# Altium PCB 智能车驱动板DRV8701E.PcbDoc
Units mil, origin at the board's own origin, x right, y up, seen from the top; angles counter-clockwise.
Board outline 2884.05 x 1270.98 mil, 2 copper layers (Top Layer, Bottom Layer); 41 components, 38 nets, 211 pads, 138 vias.
Unrouted connection lines stored in the file: 41.
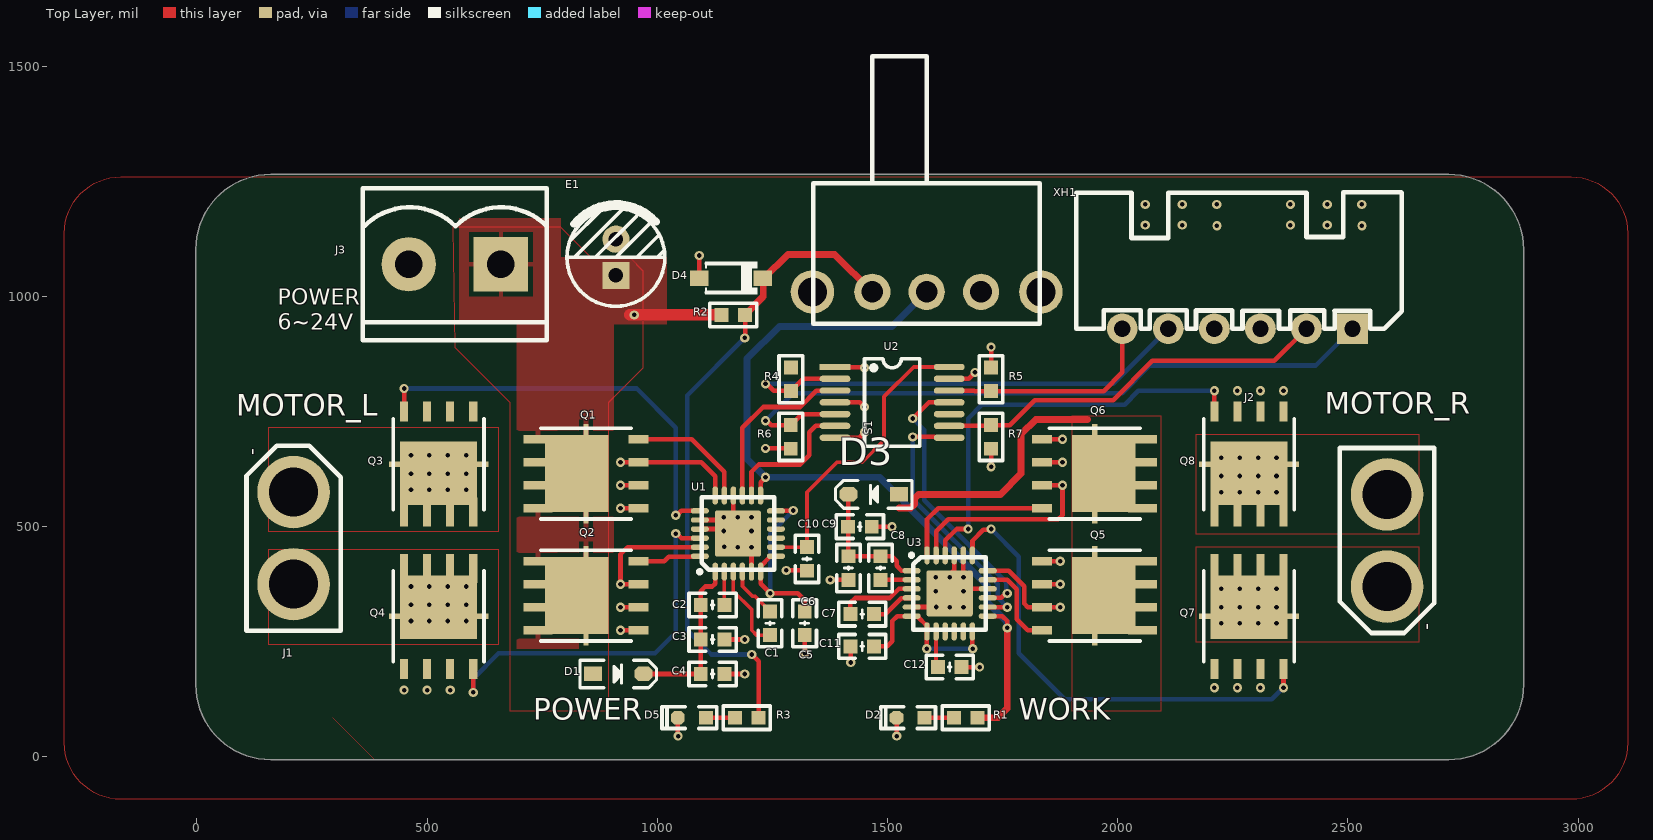
[diagram p0: Top Layer view]
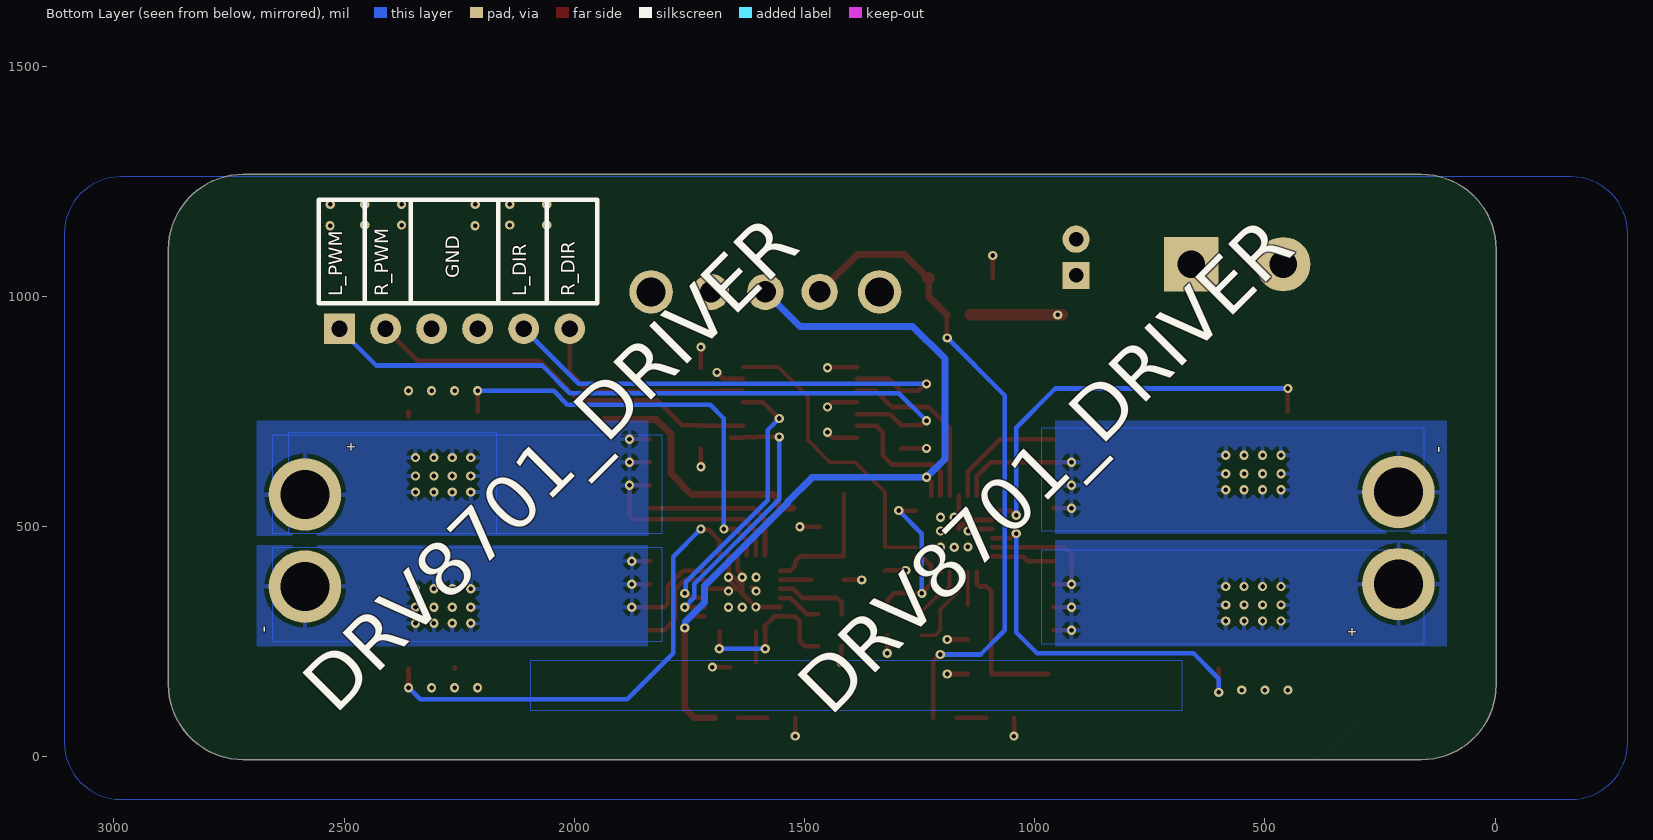
[diagram p1: Bottom Layer view, seen from below]
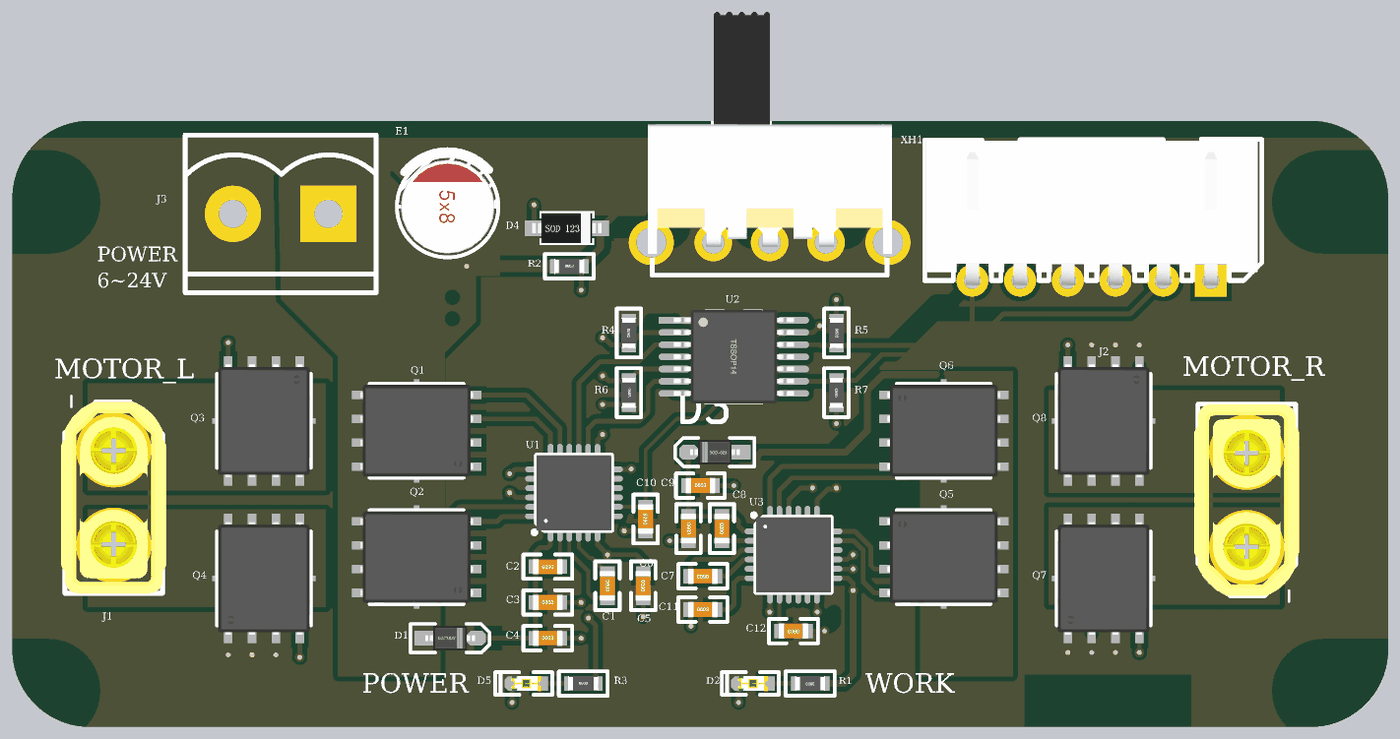
[diagram p2: 3D render of the assembled board from above, using the file's embedded part models]

## Layer stack, top to bottom
Top Solder: solder mask 0.4, Solder Resist, Dk 3.5
Top Layer: signal copper 1.4
Dielectric 1: dielectric 12.6, FR-4, Dk 4.8
Bottom Layer: signal copper 1.4
Bottom Solder: solder mask 0.4, Solder Resist, Dk 3.5

## Board outline
160,-5.96 cw(c160,156.54) -2.5,156.54 -2.5,1102.52 cw(c160,1102.52) 160,1265.01 2719.06,1265.01 cw(c2719.06,1102.52) 2881.55,1102.52 2881.55,156.54 cw(c2719.06,156.54) 2719.06,-5.96

## Design rules (kind name [scope] priority, off if disabled: settings)
BoardOutlineClearance [All] p1: gap=10 ignorepadtopadclearanceinfootprint=FALSE except(0: Arc-SplitContinuation Track-SplitContinuation SMDPad-SplitContinuation THPad-SplitContinuation Via-SplitContinuation Fill-SplitContinuation Poly-SplitContinuation Region-SplitContinuation Text-SplitContinuation; 30: Poly-OutlineEdge Poly-CavityEdge Poly-CutoutEdge Poly-SplitBarrior)
Clearance [All] p1: gap=6 ignorepadtopadclearanceinfootprint=TRUE except(10: Arc-Fill Arc-Poly Arc-Region Track-Fill Track-Poly Track-Region SMDPad-Fill SMDPad-Poly SMDPad-Region THPad-Fill THPad-Poly THPad-Region Fill-Fill Fill-Poly Fill-Region Poly-Poly Poly-Region Region-Region)
PlaneConnect [InNet('VM')] p1: planeconnectstyle=Direct reliefexpansion=20 reliefentries=4 reliefconductorwidth=10 reliefairgap=10
PolygonConnect PolygonConnect_POWER [InNetClass('POWER')] p1: connectstyle=Direct reliefconductorwidth=10 reliefentries=4 polygonreliefangle="90 Angle" airgapwidth=10
PolygonConnect [All] p2: connectstyle=Relief reliefconductorwidth=10 reliefentries=4 polygonreliefangle="90 Angle" airgapwidth=10
RoutingVias [All] p1: holewidth=12 width=22 viastyle="Through Hole" minholewidth=10 minwidth=22 maxholewidth=50 maxwidth=50
SolderMaskExpansion [InPadClass('All Pads')] p1: expansion=4 istentingtop=FALSE
Width GND [All] p1: maxlimit=50 minlimit=3 preferedwidth=8 minimp=50.000000 maximp=50.000000 favimp=50.000000
Width PWN [InNetClass('PWN')] p2: maxlimit=50 minlimit=3 preferedwidth=10 minimp=50.000000 maximp=50.000000 favimp=50.000000
Width [All] p3: maxlimit=10 minlimit=3 preferedwidth=8 minimp=50.000000 maximp=50.000000 favimp=50.000000
29 further rules are at their usual default settings.

## Components (designator, comment, footprint, x,y, rotation, side; value= is the part's Value field where it differs from the comment)
C1 "100nF" C0603_L 1245,290 r270 top
C2 "100nF" C0603_L 1119.99,330 r180 top
C3 "100nF" C0603_L 1120,255 r0 top
C4 "100nF" C0603_L 1120,180 r0 top
C5 "100nF" C0603_L 1320,290 r90 top
C6 "100nF" C0603_L 1325,430 r90 top
C7 "100nF" C0603_L 1445,310 r180 top
C8 "100nF" C0603_L 1485,410 r90 top
C9 "100nF" C0603_L 1415,410 r270 top
C10 "100nF" C0603_L 1440,500 r0 top
C11 "100nF" C0603_L 1445,240 r0 top
C12 "100nF" C0603_L 1635,195 r180 top
D1 "1N5819" SOD-323 915,180 r0 top
D2 "LED" LED-0603_R 1550,85 r180 top
D3 "1N5819" SOD-323 1470,570 r180 top
D4 "BZT52C3V3" SOD-123-L 1160,1040 r0 top
D5 "LED" LED-0603_R 1075,85 r180 top
E1 "10uF/25V" CT-2.0*5*8-R 910,1085 r270 top
J1 "XT30" XT30-M 210,475 r90 top
J2 "XT30" XT30-M 2585,470 r270 top
J3 "HT-2P" CZ-5.08-L-Z-2P 660,1070 r180 top
Q1 "TPH1R403NL" DFN5x6 845,615 r90 top
Q2 "TPH1R403NL" DFN5x6 845,350 r90 top
Q3 "TPH1R403NL" DFN5x6 525,635.83 r180 top
Q4 "TPH1R403NL" DFN5x6 525,305.31 r0 top
Q5 "TPH1R403NL" DFN5x6 1950,350 r270 top
Q6 "TPH1R403NL" DFN5x6 1950,615 r270 top
Q7 "TPH1R403NL" DFN5x6 2285,305.31 r0 top
Q8 "TPH1R403NL" DFN5x6 2285,635.83 r180 top
R1 "1K" R0603_L 1670,85 r180 top
R2 "1K" R0603_L 1165,960 r0 top
R3 "1K" R0603_L 1194.41,85 r0 top
R4 "1K" R0603_L 1290,820 r90 top
R5 "1K" R0603_L 1725,820 r270 top
R6 "1K" R0603_L 1290,695 r270 top
R7 "1K" R0603_L 1725,695 r90 top
S1 "SS-12F23" SS-12F23 1585,1010 r90 top
U1 "DRV8701E" QFN24-4x4 1175,485 r90 top
U2 "SN74HC125PWR" TSSOP14 1510,770 r0 top
U3 "DRV8701E" QFN24-4x4 1635,355 r0 top
XH1 "XH2.54-6P" XH2.54-6P-WI 2260,930 r180 top

## Footprints (in the part's own frame and the unit in brackets; to place one, negate y for a bottom-side part, rotate by r counter-clockwise, add the part's x,y. Pads: shape width x height; smd on the part's side, far side on the other; paste and mask are expansions set on the pad)
C0603_L [mil] "无极性贴片电容"
  rect 30x30 smd: 1(-25.59,0) 2(25.59,0)
  silkscreen extent -51,-26 51,26, body extent -31,-16 32,16, height 33
CT-2.0*5*8-R [mm] "脚距2mm , 直径5mm , 高8mm"
  rect 1.5x1.5 hole 0.8: 1(1,0)
  round 1.5 hole 0.8: 2(-1,0)
  silkscreen extent -2.96,-2.7 2.7,2.7, body extent -2.5,-2.49 2.5,2.49, height 8.06
CZ-5.08-L-Z-2P [mm]
  rect 3x3 hole 1.5: 1(0,0)
  round 3 hole 1.5: 2(5.08,0)
  silkscreen extent -2.54,-4.2 7.62,4.2, body extent -2.58,-4.25 7.58,4.15, height 10.27
DFN5x6 [mm]
  rect 0.45x1.6 smd: 1(-1.905,2.65) 1(-0.635,2.65) 1(0.635,2.65) 1(1.905,2.65)
  rect 5.5x0.3 smd: 1(0,0)
  rect 4.25x3.5 smd: 1(0,0.5)
  rect 0.45x1.1 smd: 2(1.905,-2.9) 3(-1.905,-2.9) 3(-0.635,-2.9) 3(0.635,-2.9)
  silkscreen extent -2.5,-2.5 2.5,2.5, body extent -2.45,-3 2.45,3, height 1
LED-0603_R [mil] "红色0603LED"
  rect 30x30 smd: 1(-30.59,0)
  oct 30x30 smd: 2(30.59,0)
  silkscreen extent -54,-24 65,24, body extent -32,-16 31,16, height 24
QFN24-4x4 [mm]
  rrect10% 2.55x2.55 smd: 0(0,0)
  oval 1x0.3 smd: 1(-2.1,1.25) 2(-2.1,0.75) 3(-2.1,0.25) 4(-2.1,-0.25) 5(-2.1,-0.75) 6(-2.1,-1.25) 13(2.1,-1.25) 14(2.1,-0.75) 15(2.1,-0.25) 16(2.1,0.25) 17(2.1,0.75) 18(2.1,1.25)
  oval 0.3x1 smd: 7(-1.25,-2.1) 8(-0.75,-2.1) 9(-0.25,-2.1) 10(0.25,-2.1) 11(0.75,-2.1) 12(1.25,-2.1) 19(1.25,2.1) 20(0.75,2.1) 21(0.25,2.1) 22(-0.25,2.1) 23(-0.75,2.1) 24(-1.25,2.1)
  silkscreen extent -2.21,-2 2,2.21, body extent -2,-2 2,2, height 0.9
R0603_L [mil] "1/10W贴片电阻"
  rect 30x30 smd: 1(-25.59,0) 2(25.59,0)
  silkscreen extent -51,-26 51,26, body extent -31,-16 32,16, height 16
SOD-123-L [mm]
  rect 1x0.85 smd: A(-1.75,0) K(1.75,0)
  silkscreen extent -1.45,-0.9 1.47,0.9, body extent -1.85,-0.8 1.85,0.8, height 1.2
SOD-323 [mm]
  rect 1x0.8 smd: 1(-1.4,0)
  oct 1x0.8 smd: 2(1.4,0)
  silkscreen extent -2.11,-0.76 2.11,0.76, body extent -1.32,-0.65 1.32,0.65, height 0.95
SS-12F23 [mm] "脚距3mm"
  round 2.4 hole 1.6: 0(0,6.3) 0(0,-6.3)
  round 2 hole 1.2: 1(0,3) 2(0,0) 3(0,-3)
  silkscreen extent -1.75,-6.25 13,6.25, body extent -0.61,-6.52 12.29,6.48, height 5.75
TSSOP14 [mm]
  rect 1.7x0.35 smd: 1(-3.15,1.95)
  oval 1.7x0.35 smd: 2(-3.15,1.3) 3(-3.15,0.65) 4(-3.15,0) 5(-3.15,-0.65) 6(-3.15,-1.3) 7(-3.15,-1.95) 8(3.15,-1.95) 9(3.15,-1.3) 10(3.15,-0.65) 11(3.15,0) 12(3.15,0.65) 13(3.15,1.3) 14(3.15,1.95)
  silkscreen extent -1.52,-2.41 1.52,2.41, body extent -3.2,-2.49 3.2,2.51, height 1.03
XH2.54-6P-WI [mm] "接插件，6P"
  rect 1.7x1.7 hole 0.9: 1(-6.35,0)
  round 1.7 hole 0.9: 2(-3.81,0) 3(-1.27,0) 4(1.27,0) 5(3.81,0) 6(6.35,0)
  silkscreen extent -9.07,-7.53 8.89,0, body extent -8.85,-7.45 8.85,0.25, height 2.89
XT30-M [mm]
  round 4 hole 2.7: 1(-2.54,0) 2(2.54,0)
  silkscreen extent -5.1,-2.6 5.11,2.6, body extent -5.1,-2.8 5.1,2.8, height 10.66

## Part data
C1 C2 C3 C4 C5 C6 C7 C8 C9 C10 C11 C12: library part C-SMD, "贴片电容", BOM名称=无极性贴片电容
D1 D3: "肖特基二极管", BOM名称=肖特基二极管
D2 D5: library part LED_SMD, "贴片发光二极管"
D4: library part "Diode Zen", "3.3V稳压二极管", Price(RMB)=0.000, Published=8-Jun-2000, Publisher="Altium Limited", Revision="July-2002: Re-released for DXP Platform."
E1: library part C-CS, "直插固态电容", BOM名称=直插固态电容
J1 J2: "30A Low Temperature Rise Fire Retardant Plug", Manufacturer_Name=Amass, Manufacturer_Part_Number=XT30PW-M, Datasheet Link=https://www.tme.eu/sl/Document/ce4077e36b79046da520ca73227e15de/XT30PW%20SPEC.pdf, Geometry.Height=5mm
J3: library part XT30PW-M, "30A Low Temperature Rise Fire Retardant Plug", Manufacturer_Name=Amass, Datasheet Link=https://www.tme.eu/sl/Document/ce4077e36b79046da520ca73227e15de/XT30PW%20SPEC.pdf, Geometry.Height=5mm, Manufacturer_Part_Number=XT30PW-M
Q1 Q2 Q3 Q4 Q5 Q6 Q7 Q8: "N沟道MOS"
R1 R2 R3 R4 R5 R6 R7: library part R-SMD, "贴片电阻", BOM名称=贴片电阻
S1: library part SSW-1P, "1路波动开关", BOM名称=波动开关
U1 U3: "DRV8701E Ti全桥驱动芯片"
U2: "三态输出的四路缓冲器"

## Via types
v1: diameter 20, hole 10, Top Layer to Bottom Layer, tented both sides, 138 vias

## Nets (pads, with @x,y where several pads share a name; then routed paths per layer and width w, separated by ;. In a path a pad name is that pad's centre, name@x,y a point inside that pad or via, vN(x,y) a via of type N, cw(c..) or ccw(c..) an arc to the next point about the centre after c; other vN are vias at no path point)
3V3: D4.K R2.2 R3.2 S1.1 | length 1432.3
  Top Layer w10: v1(1190,910) 1190.59,910.59 R2.2 ; v1(1205,222.29) 1220,207.29 R3.2
  Top Layer w15: R2.2 1230,999.41 D4.K@1230,1038.9 ; D4.K@1231.85,1040 1283.43,1091.57 1385.32,1091.57 S1.1
  Top Layer w25: D4.K@1230,1038.9 D4.K D4.K@1231.85,1040
  Bottom Layer w10: v1(1190,910) 1065,785 1065,275 1117.71,222.29 v1(1205,222.29)
DVDD: C6.2 U1.8 U2.14 | length 658.9
  Top Layer w8: U1.8 C6.2@1319.89,455.47 ; C6.2 1325,575 1390,640 1445,640 1492.5,687.5 1492.5,782.5 1556.77,846.77 U2.14
GND: C3.2 C4.2 C5.1 C6.1 C9.2 C10.2 C11.1 C12.1 D2.2 D4.A D5.2 E1.2 J3.2 Q3.3 Q4.3 Q7.3 Q8.3 R4.2 R5.1 R6.2 R7.1 U1.0 U1.5 U1.16 U1.20 U1.21 U2.1 U2.4 U2.7 U2.10 U2.13 U3.0 U3.5 U3.16 U3.20 U3.21 XH1.3 XH1.4 | length 1525.7
  Top Layer w10: D5.2 1044.71,84.71 1044.71,45.29 v1(1045,45) ; D4.A v1(1091.1,1088.9) ; U1.21 1139.84,494.84 U1.0@1140,495 ; U1.20 1145.47,514.53 1165.16,494.84 U1.16 ; C4.2 v1(1190,180) ; C3.2 v1(1190,255) ; U1.5 U1.0@1204.53,455.47 ; v1(1235,670) 1289.41,670 R6.2 ; v1(1280,405) 1324.41,405 C6.1 ; v1(1320,225) C5.1 ; v1@1375,385 v1(1375.59,384.41) C9.2 ; U2.7 1438.23,693.23 v1(1450,705) ; U2.4 1440,770 v1(1450,760) ; U2.1 1386.87,845.89 1449.11,845.89 v1(1450,845) ; C11.1 1420,239.4 v1(1420,205) ; C10.2 v1(1510,500) ; D2.2 1519.71,84.71 1519.71,45.29 v1(1520,45) ; U3.5 v1(1605.47,325.47) U3.0 ; v1(1605,360) U3.0@1614.84,369.84 ; U2.13 1676.18,821.18 v1(1690,835) ; U3.21 1644.84,405.04 1635,395.2 v1(1635,390) U3.0@1635,375.67 ; C12.1@1661.18,195 v1(1700,195) ; U3.20 1664.53,400.2 1640,375.67 U3.0@1635,375.67 ; v1(1665,390) 1665,385 U3.0@1644.84,364.84 ; U3.16 U3.0@1644.84,364.84 ; v1(1725,630) R7.1 ; R5.1 v1(1725,890) ; Q7.3@2260,191.14 Q7.3@2260,195 ; Q8.3@2360,740 Q8.3@2360,750 ; U3.0 U3.0@1635,375.67 ; U3.0 U3.0@1644.84,364.84
  other v1: 450,145 500,145 550,145 2210,150 2260,150 2310,150 1635,325 1665,325 1665,360 1605,390 2260,795 2310,795 2360,795 2215.41,1153.84 2530.41,1153.84 2060,1155 2140,1155 2375,1155 2455,1155 2060,1200 2140,1200 2215,1200 2375,1200 2455,1200 2530,1200
"L  A": J1.1 Q2.3 Q4.1 U1.23 | length 361.3
  Top Layer w10: v1(920,275) Q2.3@959.17,275 ; v1(920,325) Q2.3@959.17,325 ; Q2.3@959.17,375 v1(920,375) 920,440 935.47,455.47 U1.23
  other v1: 465,295 505,295 545,295 585,295 465,330 505,330 545,330 585,330 465,370 505,370 545,370 585,370
"L  B": J1.2 Q1.3 Q3.1 U1.18 | length 338.4
  Top Layer w10: v1(920,540) Q1.3@959.17,540 ; v1(920,590) Q1.3@959.17,590 ; v1(920,640) 959.17,640 1095,640 1125.44,609.56 1125.44,568.02 U1.18
  other v1: 465,580 505,580 545,580 585,580 465,615 505,615 545,615 585,615 465,655 505,655 545,655 585,655
L_EN: U1.14 U2.6 | length 303.7
  Top Layer w10: U1.14 1204.53,619.53 1220,635 1310,635 1330,655 1330,705 1343.82,718.82 U2.6
L_EN_IN: R6.1 U2.5 XH1.1 | length 1523.1
  Top Layer w10: v1(1235,730) 1237.71,730 1247.7,720.01 1289.41,720.01 1313.81,744.41 U2.5
  Bottom Layer w10: v1(1235,730) 1295,790 2010,790 2070,850 2430,850 XH1.1
L_PH: U1.15 U2.3 | length 381.8
  Top Layer w10: U1.15 1184.84,714.84 1230,760 1310,760 1345.59,795.59 U2.3
L_PH_IN: R4.1 U2.2 XH1.5 | length 1093.2
  Top Layer w10: v1(1235,810) 1237.71,810 1252.71,795 1289.41,795 R4.1 1316.78,821.18 U2.2
  Bottom Layer w10: v1(1235,810) 1990,810 XH1.5
Net_2: C2.2 C3.1 C4.1 D1.2 U1.1 | length 368.6
  Top Layer w10: D1.2 C4.1 C3.1 1094.41,360.11 1104.3,370 1119.58,370 1125.44,375.86 1125.44,401.98 U1.1
NetC1_1: C1.1 U1.4 | length 114.6
  Top Layer w8: U1.4 1184.84,370.64 1206.86,348.62 1211.97,348.62 C1.1
NetC1_2: C1.2 U1.3 | length 188.2
  Top Layer w8: U1.3 1165.16,359.84 1205,320 1205,275 1215.59,264.41 C1.2
NetC2_1: C2.1 U1.2 | length 72.4
  Top Layer w8: U1.2 1145.47,330.12 C2.1
NetC5_2: C5.2 U1.6 U1.7 U1.12 | length 455.9
  Top Layer w10: U1.7 1244.39,435.79 1243.55,434.95 1243.55,433.55 1226.45,416.45 1225.05,416.45 1224.21,415.61 1224.21,375.79 v1(1245,355) 1305,355 1320,340 C5.2 ; U1.12 1294.21,534.21 v1(1295,535)
  Bottom Layer w10: v1(1245,355) 1245,485 v1(1295,535)
NetC7_1: C7.1 U3.4 | length 96.3
  Top Layer w10: C7.1 1495,310 1529.81,344.81 1551.98,344.81 U3.4
NetC7_2: C7.2 U3.3 | length 169.9
  Top Layer w10: C7.2 1419.41,334.41 1430,345 1505,345 1524.84,364.84 U3.3
NetC8_1: C8.1 U3.2 | length 67.4
  Top Layer w10: C8.1 1485.12,384.53 U3.2
NetC8_2: C8.2 C9.1 C10.1 D3.2 U3.1 | length 837.8
  Top Layer w10: D3.2@1415,570 1414.41,569.41 C10.1 1415,499.41 C9.1 C8.2 1509.41,435.59 1520,425 1520,415 1530.44,404.56 1551.98,404.56 U3.1
  Top Layer w15: 1525.12,540.75 1550.39,540.75 1558.3,548.66 1558.3,561.21 1567.09,570 1745,570 1790,615 1790,700.85 1822.03,732.87 1934.61,732.87
NetC11_2: C11.2 U3.6 U3.7 U3.12 | length 366.1
  Top Layer w10: C11.2 1499.14,240 1510,250.85 1510,295 1520.79,305.79 1565.61,305.79 1566.45,304.95 1566.45,303.55 1583.55,286.45 1584.95,286.45 1585.79,285.61 U3.7 1585.44,271.98 1585.44,235.44 v1(1585,235) ; U3.12 1684.21,235.79 v1(1685,235)
  Bottom Layer w10: v1(1585,235) v1(1685,235)
NetC12_2: C12.2 U3.8 | length 67.5
  Top Layer w8: C12.2@1605,205 1605.47,205.47 U3.8
NetD2_1: D2.1 R1.2 | length 63.8
  Top Layer w10: D2.1 R1.2
NetD5_1: D5.1 R3.1 | length 63.2
  Top Layer w10: D5.1 R3.1
NetQ1_2: Q1.2 U1.17 | length 267.3
  Top Layer w10: Q1.2 1075,690 1145.47,619.53 U1.17
NetQ2_2: Q2.2 U1.24 | length 137.6
  Top Layer w10: Q2.2 1015,425 1024.95,434.95 1077.22,434.95 1078.05,435.79 U1.24
NetQ3_2: Q3.2 U1.19 | length 921.3
  Top Layer w10: Q3.2 v1(450,800) ; v1(1040,525) 1042.71,525 1051.92,534.21 U1.19
  Bottom Layer w10: v1(450,800) 955,800 1040,715 v1(1040,525)
NetQ4_2: Q4.2 U1.22 | length 834
  Top Layer w10: v1(600,140) Q4.2 ; v1(1040,485) 1042.71,485 1052.55,475.16 U1.22
  Bottom Layer w10: v1(600,140) 600,170 655,225 995,225 1040,270 v1(1040,485)
NetQ5_2: Q5.2 U3.17 | length 201.6
  Top Layer w10: U3.17 1760.47,384.53 1781,364 1781,299 1805,275 Q5.2
NetQ6_2: Q6.2 U3.24 | length 338.2
  Top Layer w10: U3.24 1585.79,515.79 1610,540 Q6.2
NetQ7_2: Q7.2 U3.19 | length 1045.8
  Top Layer w10: U3.19 1684.56,438.02 1684.56,469.56 1708.09,493.09 1723.09,493.09 v1(1725,495) ; v1(2360,150) Q7.2
  Bottom Layer w10: v1(1725,495) 1785,435 1785,225 1885,125 2335,125 v1(2360,150)
NetQ8_2: Q8.2 U3.22 | length 937.5
  Top Layer w10: U3.22 1625.16,470.16 1650,495 v1(1675,495) ; Q8.2 v1(2210,795)
  Bottom Layer w10: v1(1675,495) 1675,735 1705,765 2015,765 2045,795 v1(2210,795)
nSLEEP: R1.1 S1.2 U1.13 U3.13 | length 1767.8
  Top Layer w10: U1.13 1224.56,568.02 1224.56,596.85 v1(1235,607.29) ; U3.13 1749.21,305.79 1759.82,295.18 1759.82,280.18 v1(1760,280)
  Top Layer w15: R1.1 1740,85 1760,105 v1(1760,280)
  Bottom Layer w15: S1.2 1510,935 1265,935 1195,865 1195,647.29 v1(1235,607.29) 1482.71,607.29 1536.5,553.5 1536.5,551.73 1716.89,371.35 1716.89,334.88 1759.04,292.72 1759.04,280.96 v1(1760,280)
"R  A": J2.1 Q6.3 Q8.1 U3.23 | length 538.6
  Top Layer w10: U3.23 1605.47,489.61 1631.86,516 1871,516 1880,525 v1(1880,590) Q6.3@1835.83,590 ; Q6.3@1835.83,640 v1(1880,640) ; Q6.3@1835.83,690 v1(1880,690)
  other v1: 2225,575 2265,575 2305,575 2345,575 2225,610 2265,610 2305,610 2345,610 2225,650 2265,650 2305,650 2345,650
"R  B": J2.2 Q5.3 Q7.1 U3.18 | length 289
  Top Layer w10: U3.18@1719.21,404.21 1763.41,404.21 1797,370.63 1797,333 1805,325 1835.83,325 v1(1875,325) ; Q5.3@1835.83,375 v1(1875,375) ; Q5.3@1835.83,425 v1(1875,425)
  other v1: 2225,290 2265,290 2305,290 2345,290 2225,325 2265,325 2305,325 2345,325 2225,365 2265,365 2305,365 2345,365
R_EN: U2.8 U3.14 | length 602.7
  Top Layer w10: v1(1555,695) 1603,695 1604.05,693.95 1633.29,693.95 U2.8 U2.8@1659.57,693.23 ; U3.14 1717.91,325.24 1759.76,325.24 v1(1760,325)
  Bottom Layer w10: v1(1555,695) 1555,559.4 1739,375.4 1739,346.3 1760,325.3 v1(1760,325)
R_EN_IN: R7.2 U2.9 XH1.2 | length 862.7
  Top Layer w10: U2.9 R7.2@1725,718.82 ; R7.2 1765.59,720.59 1820,775 1990,775 2075,860 2340,860 XH1.2
R_PH: U2.11 U3.15 | length 604.8
  Top Layer w10: v1(1555,735) 1590,770 U2.11 ; U3.15 1747.45,345.16 1757.29,355 v1(1760,355)
  Bottom Layer w10: v1(1555,735) 1580,710 1580,557.02 1758.09,378.94 1758.09,356.91 v1(1760,355)
R_PH_IN: R5.2 U2.12 XH1.6 | length 488.3
  Top Layer w10: U2.12 1688.08,795.59 1689.26,794.41 R5.2 1969.41,794.41 2010,835 XH1.6
VM: D1.1 D3.1 E1.1 J3.1 Q1.1 Q2.1 Q5.1 Q6.1 R2.1 | length 199.4
  Top Layer w25: v1@940,960 R2.1
  other v1: 950,960
pads on no net: S1.0 S1.3 U1.9 U1.10 U1.11 U3.9 U3.10 U3.11
copper on no net:
  other v1: 1174.53,455.47 1204.53,455.47 1145,455.94 1144.53,490.47 1204.53,490.47 1144.53,520.47 1174.53,520.47 1204.53,520.47

## Polygon pours and split planes (outlines as drawn)
VM on Top Layer "VM_L01_P020" (solid, remove dead copper, pour order 20): 570,1170 570,945 695,945 695,235 900,235 905,240 905,940 1020,940 1020,1085 790,1085 790,1170
GND on Top Layer "OVER" (solid, remove dead copper, shelved, pour order 17): -288.13,34.53 -288.13,1136.89 cw(c-165,1136.89) -165,1260.01 2984.61,1260.01 cw(c2984.61,1136.89) 3107.73,1136.89 3107.73,34.53 3107.73,30.79 cw(c2984.61,30.79) 2984.61,-92.34 -165,-92.34 cw(c-165,30.79)
VM on Top Layer "Top Layer-VM" (solid, shelved, pour order 16): 560.31,889.69 679.9,770.1 679.9,100 894.9,100 894.9,769.9 969.9,844.9 969.9,1055.1 940,1085 855,1085 790,1150 555.1,1150
"R  A" on Top Layer "NONET_L01_P013" (solid, shelved, pour order 13): 2170,700 2170,485 2655,485 2655,700
"R  B" on Top Layer "NONET_L01_P011" (solid, shelved, pour order 11): 2170,455 2170,250 2655,250 2655,455
"L  A" on Top Layer "NONET_L01_P006" (solid, shelved, pour order 6): 155,450 155,245 655,245 655,450
"L  B" on Top Layer "NONET_L01_P005" (solid, shelved, pour order 5): 155,715 155,490 655,490 655,715
VM on Top Layer "NONET_L01_P003" (solid, shelved, pour order 3): 1900,740 1900,100 2095,100 2095,740
"R  B" on Bottom Layer "R__B_L02_P024" (solid, pour order 24): 1840,240 2690,240 2690,460 1840,460
"R  A" on Bottom Layer "R__A_L02_P023" (solid, pour order 23): 1839.58,480 2689.58,480 2689.58,730 1839.58,730
"L  A" on Bottom Layer "L__A_L02_P022" (solid, pour order 22): 105,240 955,240 955,470 105,470
"L  B" on Bottom Layer "L__B_L02_P021" (solid, pour order 21): 105,485 955,485 955,730 105,730
GND on Bottom Layer "OVER" (solid, remove dead copper, shelved, pour order 19): -288.13,34.53 -288.13,1136.89 cw(c-165,1136.89) -165,1260.01 2984.61,1260.01 cw(c2984.61,1136.89) 3107.73,1136.89 3107.73,34.53 3107.73,30.79 cw(c2984.61,30.79) 2984.61,-92.34 -165,-92.34 cw(c-165,30.79)
"R  A" on Bottom Layer "NONET_L02_P012" (solid, shelved, pour order 12): 1810,700 1810,485 2655,485 2655,700
"R  B" on Bottom Layer "NONET_L02_P010" (solid, shelved, pour order 10): 1810,455 1810,250 2655,250 2655,455
"R  A" on Bottom Layer "NONET_L02_P009" (solid, shelved, pour order 9): 2170,705 2170,485 2620,485 2620,705
"L  B" on Bottom Layer "NONET_L02_P008" (solid, shelved, pour order 8): 155,715 155,490 985,490 985,715
"L  A" on Bottom Layer "NONET_L02_P007" (solid, shelved, pour order 7): 155,450 155,245 985,245 985,450
VM on Bottom Layer "NONET_L02_P004" (solid, shelved, pour order 4): 680,210 680,100 2095,100 2095,210

## Other copper
Top Layer:
  region: 295,85 385,-5

## Silkscreen, mask and mechanical layers (free items; w line width, h text height)
Top Overlay:
  text "POWER" at 175.04,970.54 h60
  text "6~24V" at 175.04,915.54 h60
  text "MOTOR_R" at 2450.06,730.43 h80
  text "MOTOR_L" at 85.06,725.43 h80
  text "POWER" at 730.06,65.72 h80
  text "WORK" at 1785,65.72 h80
Bottom Overlay:
  lines w10: 2060,985 2060,1210 ; 2165,985 2165,1210 ; 2355,985 2355,1210 ; 2455,985 2455,1210 ; 1950,985 2555,985 2555,1210 1950,1210 1950,985
  text "GND" at 2240.45,1040 h50 r270
  text "R_DIR" at 1989.65,1000.03 h50 r270
  text "L_DIR" at 2094.65,1000.03 h50 r270
  text "R_PWM" at 2394.65,1000.03 h50 r270
  text "L_PWM" at 2494.65,1000.03 h50 r270
  text "DRV8701_DRIVER" at 2492.19,62.38 h200 r315
  text "DRV8701_DRIVER" at 1417.19,57.38 h200 r315
Mechanical 1:
  lines w10: 2.52,156.54 ccw(c160,156.54) 160,-0.95 2719.06,-0.94 ccw(c2719.06,156.54) 2876.54,156.54 2876.54,1101.42 ; 2.52,157.64 2.52,1102.52 cw(c160,1102.52) 160,1260 2719.06,1260 cw(c2719.06,1102.52) 2876.54,1102.52

## Text inside footprints (layer, text, board x,y; h text height)
J1: Top Overlay "-" at 133,655 h30 r90; Bottom Overlay "+" at 319.24,282.89 h20 r90; Bottom Overlay "-" at 133,675 h30 r90
J2: Top Overlay "-" at 2662,290 h30 r270; Bottom Overlay "+" at 2475.76,662.11 h20 r270; Bottom Overlay "-" at 2662,270 h30 r270